# KiCad board DecentXE-Modern.kicad_pcb
title: Decent XE Keyboard - Modern; date: 2026-02-18; rev: 16.1; company: Decent Consulting
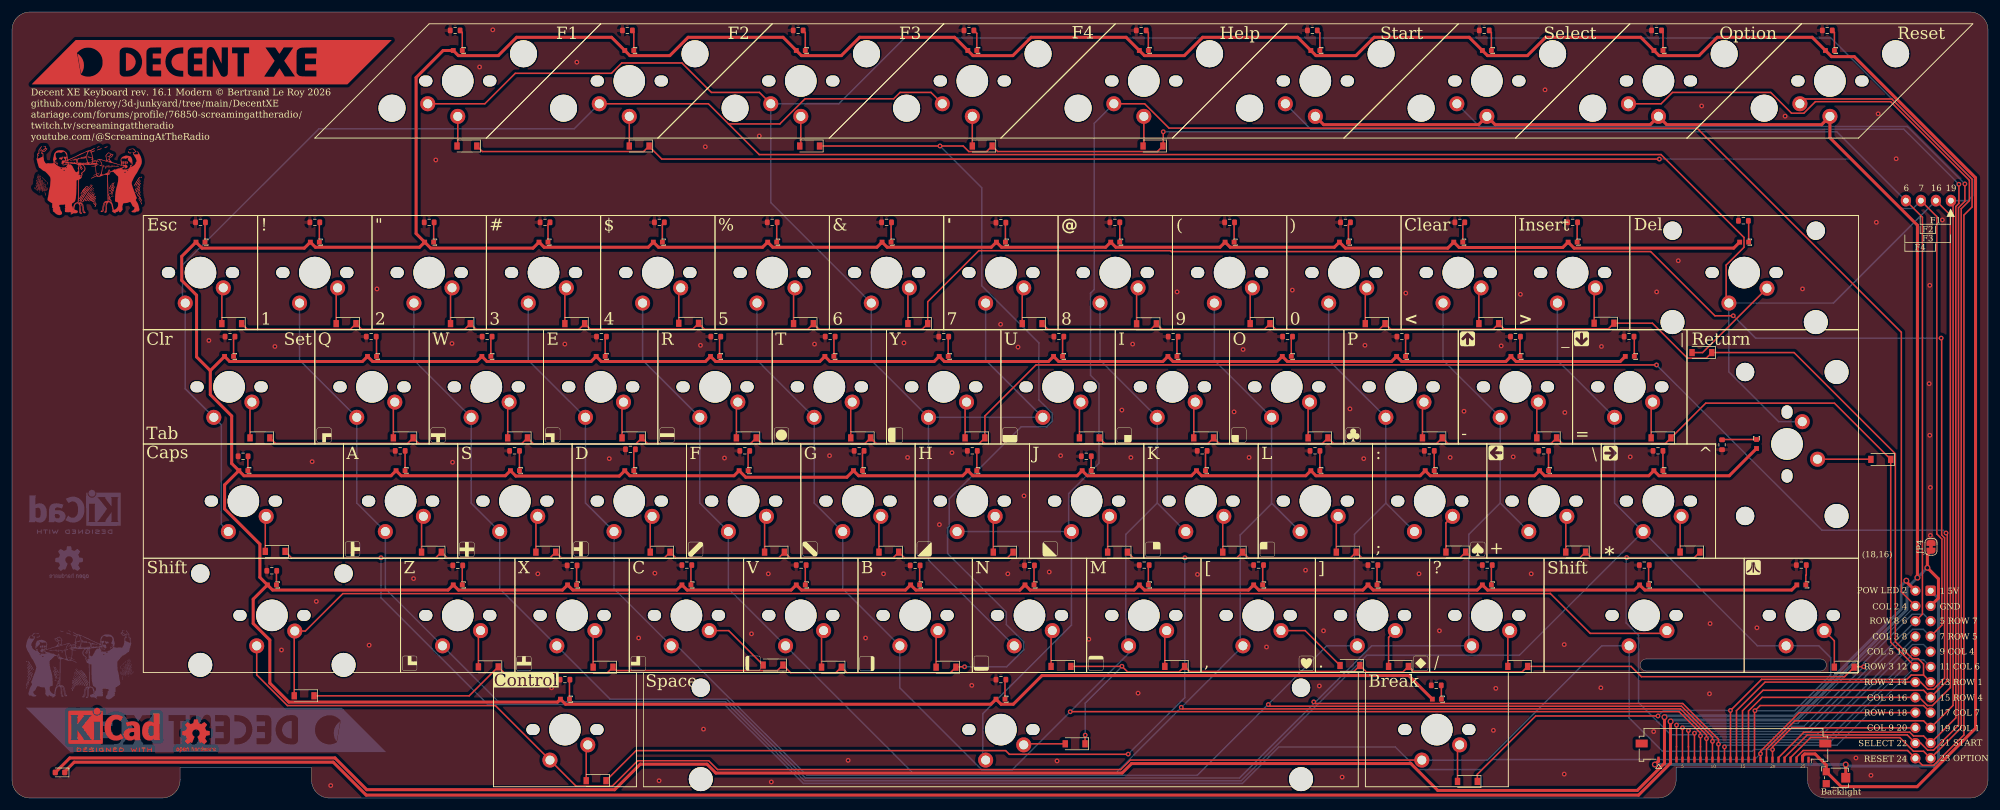
[diagram p0: board, top side]
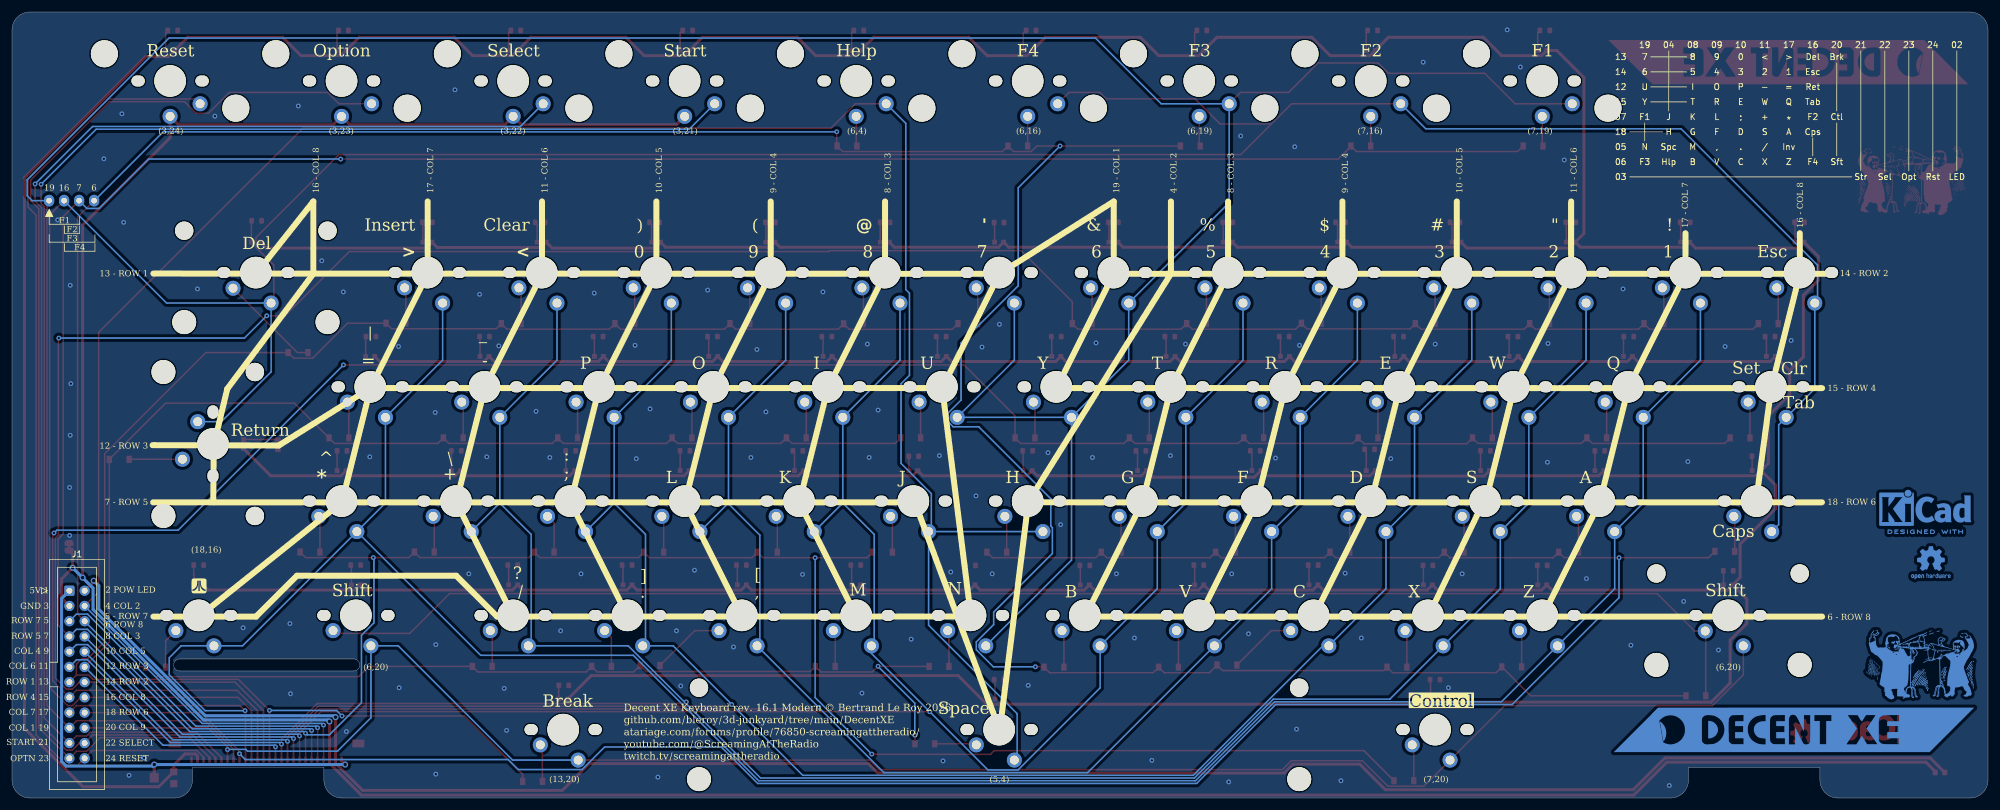
[diagram p1: board, bottom side, seen from below]

Outline 329.2 x 131.05 mm; copper layers: Top, Bottom. Coordinates in mm from the lower left corner of the outline.
Outline path: 0,128.05 0,3 arc(0.88,0.88) 3,0 25,0 arc(27.12,0.88) 28,3 28,5.1 49.9,5.1 49.9,3 arc(50.78,0.88) 52.9,0 274.24,0 arc(276.36,0.88) 277.24,3 277.24,5.1 299.14,5.1 299.14,3 arc(300.02,0.88) 302.14,0 326.2,0 arc(328.32,0.88) 329.2,3 329.2,128.05 arc(328.32,130.17) 326.2,131.05 3,131.05 arc(0.88,130.17) 0,128.05 ; 272.27,23.18 301.27,23.18 arc(302.27,22.18) 301.27,21.18 272.27,21.18 arc(271.27,22.18) 272.27,23.18
Stack: Top 0.035mm / dielectric 1.51mm FR4 er 4.5 / Bottom 0.035mm

## Placement (name value [footprint] x y rotation side)
D1  LED  [LED_0603_1608Metric]  8 4.26 180 top
D68  1N4148W  [D_SOD-123]  169.96 79.09 180 top
D69  1N4148W  [D_SOD-123]  150.91 79.09 180 top
D70  1N4148W  [D_SOD-123]  179.48 60.04 180 top
D71  1N4148W  [D_SOD-123]  160.43 60.04 180 top
D72  1N4148W  [D_SOD-123]  75.79 108.71 180 top
D73  1N4148W  [D_SOD-123]  174.76 21.94 180 top
D74  1N4148W  [D_SOD-123]  132.89 108.71 180 top
D75  1N4148W  [D_SOD-123]  184.18 40.99 180 top
D76  1N4148W  [D_SOD-123]  165.13 40.99 180 top
D77  1N4148W  [D_SOD-123]  177.12 9.04 180 top
D78  1N4148W  [D_SOD-123]  190.09 108.71 180 top
D79  1N4148W  [D_SOD-123]  189.01 79.07 180 top
D80  1N4148W  [D_SOD-123]  131.86 79.09 180 top
D81  1N4148W  [D_SOD-123]  198.53 60.04 180 top
D82  1N4148W  [D_SOD-123]  141.38 60.04 180 top
D83  1N4148W  [D_SOD-123]  203.36 40.99 180 top
D84  1N4148W  [D_SOD-123]  146.08 40.99 180 top
D85  1N4148W  [D_SOD-123]  193.71 21.94 180 top
D86  1N4148W  [D_SOD-123]  155.61 21.81 180 top
D87  1N4148W  [D_SOD-123]  207.93 79.09 180 top
D88  1N4148W  [D_SOD-123]  112.73 79.14 180 top
D89  1N4148W  [D_SOD-123]  217.58 60.04 180 top
D90  1N4148W  [D_SOD-123]  122.33 60.04 180 top
D91  1N4148W  [D_SOD-123]  222.28 40.99 180 top
D92  1N4148W  [D_SOD-123]  127.03 40.99 180 top
D93  1N4148W  [D_SOD-123]  222.9 22.09 180 top
D94  1N4148W  [D_SOD-123]  136.52 21.81 180 top
D95  1N4148W  [D_SOD-123]  227.11 79.09 180 top
D96  1N4148W  [D_SOD-123]  93.76 79.09 180 top
D97  1N4148W  [D_SOD-123]  236.63 60.04 180 top
D98  1N4148W  [D_SOD-123]  103.28 60.04 180 top
D99  1N4148W  [D_SOD-123]  240.54 41.01 180 top
D100  1N4148W  [D_SOD-123]  107.98 40.99 180 top
D101  1N4148W  [D_SOD-123]  230.99 21.94 180 top
D102  1N4148W  [D_SOD-123]  126.79 22.17 180 top
D103  1N4148W  [D_SOD-123]  246.03 79.09 180 top
D104  1N4148W  [D_SOD-123]  74.71 79.09 180 top
D105  1N4148W  [D_SOD-123]  255.68 60.04 180 top
D106  1N4148W  [D_SOD-123]  84.23 60.04 180 top
D107  1N4148W  [D_SOD-123]  260.51 41.01 180 top
D108  1N4148W  [D_SOD-123]  88.93 40.99 180 top
D109  1N4148W  [D_SOD-123]  250.86 21.94 180 top
D110  1N4148W  [D_SOD-123]  98.47 21.81 180 top
D111  1N4148W  [D_SOD-123]  265.23 79.16 180 top
D112  1N4148W  [D_SOD-123]  55.66 79.09 180 top
D113  1N4148W  [D_SOD-123]  274.73 60.04 180 top
D114  1N4148W  [D_SOD-123]  65.18 60.04 180 top
D115  1N4148W  [D_SOD-123]  279.56 41.01 180 top
D116  1N4148W  [D_SOD-123]  69.88 40.99 180 top
D117  1N4148W  [D_SOD-123]  305.25 21.81 180 top
D118  1N4148W  [D_SOD-123]  79.35 21.87 180 top
D119  1N4148W  [D_SOD-123]  281.54 74.27 180 top
D120  1N4148W  [D_SOD-123]  36.61 79.09 180 top
D121  1N4148W  [D_SOD-123]  311.34 56.46 180 top
D122  1N4148W  [D_SOD-123]  41.31 60.04 180 top
D123  1N4148W  [D_SOD-123]  104.49 108.71 180 top
D124  1N4148W  [D_SOD-123]  43.85 41.12 180 top
D125  1N4148W  [D_SOD-123]  161.64 108.71 180 top
D126  1N4148W  [D_SOD-123]  242.47 2.76 180 top
D127  1N4148W  [D_SOD-123]  97.31 2.89 180 top
D128  1N4148W  [D_SOD-123]  48.67 17.04 180 top
G***  -  [LOGO]  66.24 22.46 0 top
G***#2  -  [LOGO]  51.99 60.51 0 top
G***#3  -  [LOGO]  142.44 22.41 0 top
G***#4  -  [LOGO]  123.44 22.46 0 top
G***#5  -  [LOGO]  180.59 22.46 0 top
G***#6  -  [LOGO]  185.29 60.51 0 top
G***#7  -  [LOGO]  109.14 60.51 0 top
G***#8  -  [LOGO]  94.79 41.51 0 top
G***#9  -  [LOGO]  247.24 57.56 270 top
G***#10  LOGO  [ScreamingAtTheRadio]  12.78 104.04 0 top
G***#11  -  [LOGO]  204.39 60.51 0 top
G***#12  -  [LOGO]  33.27 122.7 0 top
G***#13  -  [LOGO]  75.79 41.46 0 top
G***#14  -  [LOGO]  56.74 41.51 0 top
G***#15  -  [LOGO]  172.94 41.51 0 top
G***#16  -  [LOGO]  128.19 60.51 0 top
G***#17  -  [LOGO]  113.89 41.46 0 top
G***#18  -  [LOGO]  242.49 76.56 180 top
G***#19  -  [LOGO]  90.09 60.51 0 top
G***#20  -  [LOGO]  215.64 22.46 0 top
G***#21  -  [LOGO]  147.19 60.51 0 top
G***#22  -  [LOGO]  209.14 41.46 0 top
G***#23  -  [LOGO]  85.29 22.41 0 top
G***#24  -  [LOGO]  132.94 41.51 0 top
G***#25  -  [LOGO]  223.44 60.51 0 top
G***#26  -  [LOGO]  266.29 57.51 90 top
G***#27  -  [LOGO]  70.99 60.51 0 top
G***#28  -  [LOGO]  261.49 76.56 0 top
G***#29  -  [LOGO]  166.24 60.51 0 top
G***#30  -  [LOGO]  244.19 41.46 0 top
G***#31  -  [LOGO]  190.09 41.46 0 top
G***#32  -  [LOGO]  234.69 22.46 0 top
G***#33  -  [LOGO]  161.49 22.46 0 top
G***#34  -  [LOGO]  151.99 41.51 0 top
G***#35  -  [LOGO]  104.34 22.41 0 top
G***#36  -  [LOGO]  290.1 38.44 0 top
G***#37  -  [LOGO]  32.32 11.38 180 bottom
G***#38  LOGO  [ScreamingAtTheRadio]  11.18 23.31 180 bottom
G***#39  -  [LOGO]  298.04 35.36 180 bottom
J1  Conn_02x12_Odd_Even  [IDC-Header_2x12_P2.54mm_Vertical]  319.64 34.56 180 bottom
J2  Conn_01x26  [Molex_200528-0260_1x26-1MP_P1.00mm_Horizontal]  286.8 7.3 180 top
J3  Conn_01x04  [JST_EH_S4B-EH_1x04_P2.50mm_Horizontal]  323.02 99.6 180 bottom
JP4  SolderJumper_2_Bridged  [SolderJumper-2_P1.3mm_Bridged_RoundedPad1.0x1.5mm]  319.7 41.88 90 top
R1  R  [R_0603_1608Metric]  164.75 95.93 180 top
R2  R  [R_0603_1608Metric]  145.7 95.98 180 top
R3  R  [R_0603_1608Metric]  174.4 76.93 180 top
R4  R  [R_0603_1608Metric]  155.23 76.93 180 top
R5  R  [R_0603_1608Metric]  73.83 127.98 180 top
R6  R  [R_0603_1608Metric]  169.51 38.78 180 top
R7  R  [R_0603_1608Metric]  130.98 127.98 180 top
R8  R  [R_0603_1608Metric]  178.97 56.98 180 top
R9  R  [R_0603_1608Metric]  159.99 57.88 180 top
R10  R  [R_0603_1608Metric]  164.75 19.73 180 top
R11  R  [R_0603_1608Metric]  188.13 127.98 180 top
R12  R  [R_0603_1608Metric]  183.74 95.98 180 top
R13  R  [R_0603_1608Metric]  126.65 95.98 180 top
R14  R  [R_0603_1608Metric]  193.45 76.93 180 top
R15  R  [R_0603_1608Metric]  136.3 76.93 180 top
R16  R  [R_0603_1608Metric]  198.28 57.88 180 top
R17  R  [R_0603_1608Metric]  141.13 57.88 180 top
R18  R  [R_0603_1608Metric]  188.63 38.83 180 top
R19  R  [R_0603_1608Metric]  150.46 38.78 180 top
R20  R  [R_0603_1608Metric]  202.85 95.98 180 top
R21  R  [R_0603_1608Metric]  107.85 95.98 180 top
R22  R  [R_0603_1608Metric]  212.5 76.93 180 top
R23  R  [R_0603_1608Metric]  117.25 76.93 180 top
R24  R  [R_0603_1608Metric]  217.07 57.88 180 top
R25  R  [R_0603_1608Metric]  122.08 57.88 180 top
R26  R  [R_0603_1608Metric]  207.68 38.83 180 top
R27  R  [R_0603_1608Metric]  131.48 38.83 180 top
R28  R  [R_0603_1608Metric]  222.15 95.98 180 top
R29  R  [R_0603_1608Metric]  88.8 95.98 180 top
R30  R  [R_0603_1608Metric]  231.55 76.93 180 top
R31  R  [R_0603_1608Metric]  98.2 76.93 180 top
R32  R  [R_0603_1608Metric]  236.12 57.88 180 top
R33  R  [R_0603_1608Metric]  103.03 58.14 180 top
R34  R  [R_0603_1608Metric]  226.73 38.83 180 top
R35  R  [R_0603_1608Metric]  112.43 38.83 180 top
R36  R  [R_0603_1608Metric]  241.2 95.98 180 top
R37  R  [R_0603_1608Metric]  69.5 95.98 180 top
R38  R  [R_0603_1608Metric]  250.47 76.93 180 top
R39  R  [R_0603_1608Metric]  79.15 76.93 180 top
R40  R  [R_0603_1608Metric]  255.17 57.88 180 top
R41  R  [R_0603_1608Metric]  83.72 57.88 180 top
R42  R  [R_0603_1608Metric]  245.78 38.83 180 top
R43  R  [R_0603_1608Metric]  93.31 38.78 180 top
R44  R  [R_0603_1608Metric]  260 95.98 180 top
R45  R  [R_0603_1608Metric]  50.45 95.98 180 top
R46  R  [R_0603_1608Metric]  269.4 76.93 180 top
R47  R  [R_0603_1608Metric]  59.85 76.93 180 top
R48  R  [R_0603_1608Metric]  274.22 57.88 180 top
R49  R  [R_0603_1608Metric]  64.67 57.88 180 top
R50  R  [R_0603_1608Metric]  298.1 38.83 180 top
R51  R  [R_0603_1608Metric]  74.26 38.78 180 top
R52  R  [R_0603_1608Metric]  288.45 96.24 180 top
R53  R  [R_0603_1608Metric]  31.4 95.98 180 top
R54  R  [R_0603_1608Metric]  284.89 58.9 270 top
R55  R  [R_0603_1608Metric]  36.32 76.93 180 top
R56  R  [R_0603_1608Metric]  102.53 127.98 180 top
R57  R  [R_0603_1608Metric]  38.5 56.98 180 top
R58  R  [R_0603_1608Metric]  159.42 127.98 180 top
R59  R  [R_0603_1608Metric]  271.94 38.83 180 top
R60  R  [R_0603_1608Metric]  237.27 18.78 180 top
R61  R  [R_0603_1608Metric]  92.12 19.73 180 top
R62  R  [R_0603_1608Metric]  43.27 37.88 180 top
R63  R  [R_0603_1608Metric]  216.64 127.98 180 top
R64  R  [R_0603_1608Metric]  245.28 127.98 180 top
R65  R  [R_0603_1608Metric]  273.98 127.98 180 top
R66  R  [R_0603_1608Metric]  302.43 127.98 180 top
REF**  -  [KiCad-Logo2_6mm_Copper]  17.03 12.05 0 top
REF**#2  -  [OSHW-Logo2_7.3x6mm_Copper]  30.65 10.35 0 top
REF**#3  -  [KiCad-Logo2_6mm_Copper]  10.46 48.4 180 bottom
REF**#4  -  [AtariXE_Matrix]  31.19 115.06 180 bottom
REF**#5  -  [OSHW-Logo2_7.3x6mm_Copper]  9.51 39.22 180 bottom
RV1  R_Potentiometer  [Potentiometer_Bourns_TC33X_Vertical]  304.05 3.38 0 top
SW0  SW_Push_45deg  [MX-1-00U-LED]  221.9 92.68 0 top
SW1  SW_Push_45deg  [MX-1-00U-LED]  50.45 92.68 0 top
SW2  SW_Push_45deg  [MX-1-00U-LED]  69.5 92.68 0 top
SW3  SW_Push_45deg  [MX-1-00U-LED]  88.55 92.68 0 top
SW4  SW_Push_45deg  [MX-1-00U-LED]  107.6 92.68 0 top
SW5  SW_Push_45deg  [MX-1-00U-LED]  126.65 92.68 0 top
SW6  SW_Push_45deg  [MX-1-00U-LED]  145.7 92.68 0 top
SW7  SW_Push_45deg  [MX-1-00U-LED]  164.75 92.68 0 top
SW8  SW_Push_45deg  [MX-1-00U-LED]  183.8 92.68 0 top
SW9  SW_Push_45deg  [MX-1-00U-LED]  202.85 92.68 0 top
SWA1  SW_Push_45deg  [MX-1-00U-LED]  64.74 54.58 0 top
SWB1  SW_Push_45deg  [MX-1-00U-LED]  150.46 35.53 0 top
SWBrk1  SW_Push_45deg  [MX-1-25U-LED]  237.38 16.48 0 top
SWC1  SW_Push_45deg  [MX-1-00U-LED]  112.36 35.53 0 top
SWComma1  SW_Push_45deg  [MX-1-00U-LED]  207.61 35.53 0 top
SWCps1  SW_Push_45deg  [MX-1-75U-LED]  38.54 54.58 0 top
SWCtl1  SW_Push_45deg  [MX-1-25U-LED]  92.12 16.48 0 top
SWD1  SW_Push_45deg  [MX-1-00U-LED]  102.84 54.58 0 top
SWDash1  SW_Push_45deg  [MX-1-00U-LED]  250.47 73.63 0 top
SWDel1  SW_Push_45deg  [MX-2-00U-LED]  288.57 92.68 0 top
SWE1  SW_Push_45deg  [MX-1-00U-LED]  98.08 73.63 0 top
SWEqual1  SW_Push_45deg  [MX-1-00U-LED]  269.52 73.63 0 top
SWEsc1  SW_Push_45deg  [MX-1-00U-LED]  31.4 92.68 0 top
SWF1  SW_Push_45deg  [MX-1-00U-LED]  121.89 54.58 0 top
SWFn1  SW_Push_45deg  [Choc-1-50U-Atari-Fn-LED]  74.26 124.63 0 top
SWFn2  SW_Push_45deg  [Choc-1-50U-Atari-Fn-LED]  102.84 124.63 0 top
SWFn3  SW_Push_45deg  [Choc-1-50U-Atari-Fn-LED]  131.41 124.63 0 top
SWFn4  SW_Push_45deg  [Choc-1-50U-Atari-Fn-LED]  159.99 124.63 0 top
SWG1  SW_Push_45deg  [MX-1-00U-LED]  140.94 54.58 0 top
SWGT1  SW_Push_45deg  [MX-1-00U-LED]  260 92.68 0 top
SWH1  SW_Push_45deg  [MX-1-00U-LED]  159.99 54.58 0 top
SWHlp1  SW_Push_45deg  [Choc-1-50U-Atari-Fn-LED]  188.56 124.63 0 top
SWI1  SW_Push_45deg  [MX-1-00U-LED]  193.32 73.63 0 top
SWInv1  SW_Push_45deg  [MX-1-00U-LED]  298.1 35.53 0 top
SWJ1  SW_Push_45deg  [MX-1-00U-LED]  179.04 54.58 0 top
SWK1  SW_Push_45deg  [MX-1-00U-LED]  198.09 54.58 0 top
SWL1  SW_Push_45deg  [MX-1-00U-LED]  217.14 54.58 0 top
SWLeftSft1  SW_Push_45deg  [MX-2-25U-LED]  43.31 35.53 0 top
SWLT1  SW_Push_45deg  [MX-1-00U-LED]  240.95 92.68 0 top
SWM1  SW_Push_45deg  [MX-1-00U-LED]  188.56 35.53 0 top
SWN1  SW_Push_45deg  [MX-1-00U-LED]  169.51 35.53 0 top
SWO1  SW_Push_45deg  [MX-1-00U-LED]  212.38 73.63 0 top
SWOption1  SW_Push_45deg  [Choc-1-50U-Atari-Fn-LED]  274.3 124.63 0 top
SWP1  SW_Push_45deg  [MX-1-00U-LED]  231.43 73.63 0 top
SWPeriod1  SW_Push_45deg  [MX-1-00U-LED]  226.66 35.53 0 top
SWPlus1  SW_Push_45deg  [MX-1-00U-LED]  255.24 54.58 0 top
SWQ1  SW_Push_45deg  [MX-1-00U-LED]  59.97 73.63 0 top
SWR1  SW_Push_45deg  [MX-1-00U-LED]  117.13 73.63 0 top
SWReset1  SW_Push_45deg  [Choc-1-50U-Atari-Fn-LED]  302.86 124.63 0 top
SWRet1  SW_Push_45deg  [MX-ISO-RETURN]  290.64 59.02 0 top
SWRightSft1  SW_Push_45deg  [MX-1-75U-LED]  271.91 35.53 0 top
SWS1  SW_Push_45deg  [MX-1-00U-LED]  83.79 54.58 0 top
SWSelect1  SW_Push_45deg  [Choc-1-50U-Atari-Fn-LED]  245.71 124.63 0 top
SWSemi1  SW_Push_45deg  [MX-1-00U-LED]  236.19 54.58 0 top
SWSlash1  SW_Push_45deg  [MX-1-00U-LED]  245.71 35.53 0 top
SWSpc1  SW_Push_45deg  [MX-6-25U-LED]  164.75 16.48 0 top
SWStar1  SW_Push_45deg  [MX-1-00U-LED]  274.29 54.58 0 top
SWStart1  SW_Push_45deg  [Choc-1-50U-Atari-Fn-LED]  217.14 124.63 0 top
SWT1  SW_Push_45deg  [MX-1-00U-LED]  136.18 73.63 0 top
SWTab1  SW_Push_45deg  [MX-1-50U-LED]  36.16 73.63 0 top
SWU1  SW_Push_45deg  [MX-1-00U-LED]  174.27 73.63 0 top
SWV1  SW_Push_45deg  [MX-1-00U-LED]  131.41 35.53 0 top
SWW1  SW_Push_45deg  [MX-1-00U-LED]  79.03 73.63 0 top
SWX1  SW_Push_45deg  [MX-1-00U-LED]  93.31 35.53 0 top
SWY1  SW_Push_45deg  [MX-1-00U-LED]  155.23 73.63 0 top
SWZ1  SW_Push_45deg  [MX-1-00U-LED]  74.26 35.53 0 top

## Library data of the parts
D1 = -: JLCPCB Part #: C2286; ki_fp_filters: LED* LED_SMD:* LED_THT:*
D68-D128 = -: Datasheet: https://www.vishay.com/docs/85748/1n4148w.pdf; JLCPCB Part #: C81598; ki_fp_filters: D*SOD?123*
J1 = -: ki_fp_filters: Connector*:*_2x??_*
J2 = -: JLCPCB Part #: C2914085; ki_fp_filters: Connector*:*_1x??_*
J3 = -: ki_fp_filters: Connector*:*_1x??_*
JP4 = -: ki_fp_filters: SolderJumper*Open*
R1-R66 = -: JLCPCB Part #: C22775; ki_fp_filters: R_*
RV1 = -: JLCPCB Part #: C719174; JLCPCB Rotation Offset: 180; Rotation Offset: 180; ki_fp_filters: Potentiometer*
SW0-SW9 SWA1 SWB1 SWBrk1 SWC1 SWComma1 SWCps1 SWCtl1 SWD1 SWDash1 SWDel1 SWE1 SWEqual1 SWEsc1 SWF1 SWFn1-SWFn4 SWG1 SWGT1 SWH1 SWHlp1 SWI1 SWInv1 SWJ1 SWK1 SWL1 SWLeftSft1 SWLT1 SWM1 SWN1 SWO1 SWOption1 SWP1 SWPeriod1 SWPlus1 SWQ1 SWR1 SWReset1 SWRightSft1 SWS1 SWSelect1 SWSemi1 SWSlash1 SWSpc1 SWStar1 SWStart1 SWT1 SWTab1 SWU1 SWV1 SWW1 SWX1 SWY1 SWZ1 = -: JLCPCB Part #: C193191; JLCPCB Rotation Offset: 180; FT Origin: Anchor; Rotation Offset: 180
SWRet1 = -: JLCPCB Part #: C193191; JLCPCB Rotation Offset: 180; FT Origin: Anchor; Rotation Offset: 270

## Footprints (pads in the part's own frame, mm; a bottom-side part is the same pattern mirrored in y, then rotated)
Choc-1-50U-Atari-Fn-LED
  round 4.5 hole 4.5 unplated: (-10.95,-9.615) (10.95,-0.545)
  oval 2.2x1.8 hole 2.2x1.8 unplated: (-5.33,-5.08) (5.33,-5.08)
  round 5.25 hole 5.25 unplated: (0,-5.08)
  round 2.5 hole 1.499: 1(-5,-8.88) 2(0,-10.98)
  rect 0.8x0.8 smd: 3(0.75,0) 4(-0.75,0)
D_SOD-123
  rect 0.9x1.2 smd: 1(-1.65,0) 2(1.65,0)
IDC-Header_2x12_P2.54mm_Vertical
  rrect 1.7x1.7 hole 1: 1(0,0)
  round 1.7 hole 1: 2(2.54,0) 3(0,-2.54) 4(2.54,-2.54) 5(0,-5.08) 6(2.54,-5.08) 7(0,-7.62) 8(2.54,-7.62) 9(0,-10.16) 10(2.54,-10.16) 11(0,-12.7) 12(2.54,-12.7) 13(0,-15.24) 14(2.54,-15.24) 15(0,-17.78) 16(2.54,-17.78) 17(0,-20.32) 18(2.54,-20.32) 19(0,-22.86) 20(2.54,-22.86) 21(0,-25.4) 22(2.54,-25.4) 23(0,-27.94) 24(2.54,-27.94)
JST_EH_S4B-EH_1x04_P2.50mm_Horizontal
  oval 1.7x1.95 hole 0.95: 1(0,0) 2(2.5,0) 3(5,0) 4(7.5,0)
LED_0603_1608Metric
  rrect 0.875x0.95 smd: 1(-0.787,0) 2(0.787,0)
Molex_200528-0260_1x26-1MP_P1.00mm_Horizontal
  rect 0.4x1 smd: 1(12.5,0.91) 2(11.5,0.91) 3(10.5,0.91) 4(9.5,0.91) 5(8.5,0.91) 6(7.5,0.91) 7(6.5,0.91) 8(5.5,0.91) 9(4.5,0.91) 10(3.5,0.91) 11(2.5,0.91) 12(1.5,0.91) 13(0.5,0.91) 14(-0.5,0.91) 15(-1.5,0.91) 16(-2.5,0.91) 17(-3.5,0.91) 18(-4.5,0.91) 19(-5.5,0.91) 20(-6.5,0.91) 21(-7.5,0.91) 22(-8.5,0.91) 23(-9.5,0.91) 24(-10.5,0.91) 25(-11.5,0.91) 26(-12.5,0.91)
  rect 2x1.3 smd: MP(-15.3,-1.79) MP(15.3,-1.79)
MX-1-00U-LED
  oval 2.2x1.8 hole 2.2x1.8 unplated: (-5.33,-5.08) (5.33,-5.08)
  round 5.25 hole 5.25 unplated: (0,-5.08)
  round 2.5 hole 1.499: 1(-2.54,-10.16) 2(3.8,-7.62)
  rect 0.8x0.8 smd: 3(0.75,0) 4(-0.75,0)
MX-1-25U-LED
  oval 2.2x1.8 hole 2.2x1.8 unplated: (-5.33,-5.08) (5.33,-5.08)
  round 5.25 hole 5.25 unplated: (0,-5.08)
  round 2.5 hole 1.499: 1(-2.5,-10.16) 2(3.8,-7.62)
  rect 0.8x0.8 smd: 3(0.75,0) 4(-0.75,0)
MX-1-50U-LED
  oval 2.2x1.8 hole 2.2x1.8 unplated: (-5.33,-5.08) (5.33,-5.08)
  round 5.25 hole 5.25 unplated: (0,-5.08)
  round 2.5 hole 1.499: 1(-2.54,-10.16) 2(3.8,-7.62)
  rect 0.8x0.8 smd: 3(0.75,0) 4(-0.75,0)
MX-1-75U-LED
  oval 2.2x1.8 hole 2.2x1.8 unplated: (-5.33,-5.08) (5.33,-5.08)
  round 5.25 hole 5.25 unplated: (0,-5.08)
  round 2.5 hole 1.499: 1(-2.5,-10.16) 2(3.8,-7.62)
  rect 0.8x0.8 smd: 3(0.75,0) 4(-0.75,0)
MX-2-00U-LED
  round 3.048 hole 3.048 unplated: (-11.938,1.905) (11.938,1.905)
  round 3.988 hole 3.988 unplated: (-11.938,-13.335) (11.938,-13.335)
  oval 2.2x1.8 hole 2.2x1.8 unplated: (-5.33,-5.08) (5.33,-5.08)
  round 5.25 hole 5.25 unplated: (0,-5.08)
  round 2.5 hole 1.499: 1(-2.54,-10.16) 2(3.8,-7.69)
  rect 0.8x0.8 smd: 3(0.75,0) 4(-0.75,0)
MX-2-25U-LED
  round 3.048 hole 3.048 unplated: (-11.938,1.905) (11.938,1.905)
  round 3.988 hole 3.988 unplated: (-11.938,-13.335) (11.938,-13.335)
  oval 2.2x1.8 hole 2.2x1.8 unplated: (-5.33,-5.08) (5.33,-5.08)
  round 5.25 hole 5.25 unplated: (0,-5.08)
  round 2.5 hole 1.499: 1(-2.54,-10.16) 2(3.8,-7.69)
  rect 0.8x0.8 smd: 3(0.75,0) 4(-0.75,0)
MX-6-25U-LED
  round 3.048 hole 3.048 unplated: (-50,1.905) (50,1.905)
  round 3.988 hole 3.988 unplated: (-50,-13.335) (50,-13.335)
  oval 2.2x1.8 hole 2.2x1.8 unplated: (-5.33,-5.08) (5.33,-5.08)
  round 5.25 hole 5.25 unplated: (0,-5.08)
  round 2.5 hole 1.499: 1(-2.54,-10.16) 2(3.8,-7.62)
  rect 0.8x0.8 smd: 3(0.686,0) 4(-0.814,0)
MX-ISO-RETURN
  round 3.048 hole 3.048 unplated: (-1.905,12) (-1.905,-12)
  oval 1.8x2.2 hole 1.8x2.2 unplated: (5.08,5.33) (5.08,-5.33)
  round 5.25 hole 5.25 unplated: (5.08,0)
  round 3.988 hole 3.988 unplated: (13.335,12) (13.335,-12)
  round 2.5 hole 1.499: 1(7.62,3.72) 2(10.16,-2.54)
  rect 0.8x0.8 smd: 3(0,0.75) 4(0,-0.75)
Potentiometer_Bourns_TC33X_Vertical
  rect 1.2x1.2 smd: 1(-1.8,1) 3(-1.8,-1)
  rect 1.5x1.6 smd: 2(1.45,0)
R_0603_1608Metric
  rrect 0.8x0.95 smd: 1(-0.825,0) 2(0.825,0)
SolderJumper-2_P1.3mm_Bridged_RoundedPad1.0x1.5mm
  custom 1x0.5 smd: 1(-0.65,0) 2(0.65,0)

## Nets
GND: D1.1 J1.3 J2.3 JP4.1 SWOption1.2 SWReset1.2 SWSelect1.2 SWStart1.2
VCC_LED: J2.25 RV1.1 SW0.4 SW1.4 SW2.4 SW3.4 SW4.4 SW5.4 SW6.4 SW7.4 SW8.4 SW9.4 SWA1.4 SWB1.4 SWBrk1.4 SWC1.4 SWComma1.4 SWCps1.4 SWCtl1.4 SWD1.4 SWDash1.4 SWDel1.4 SWE1.4 SWEqual1.4 SWEsc1.4 SWF1.4 SWFn1.4 SWFn2.4 SWFn3.4 SWFn4.4 SWG1.4 SWGT1.4 SWH1.4 SWHlp1.4 SWI1.4 SWInv1.4 SWJ1.4 SWK1.4 SWL1.4 SWLeftSft1.4 SWLT1.4 SWM1.4 SWN1.4 SWO1.4 SWOption1.4 SWP1.4 SWPeriod1.4 SWPlus1.4 SWQ1.4 SWR1.4 SWReset1.4 SWRet1.4 SWRightSft1.4 SWS1.4 SWSelect1.4 SWSemi1.4 SWSlash1.4 SWSpc1.4 SWStar1.4 SWStart1.4 SWT1.4 SWTab1.4 SWU1.4 SWV1.4 SWW1.4 SWX1.4 SWY1.4 SWZ1.4
COL_1: J1.19 J2.19 J3.1 SW6.1 SW7.1 SWFn1.1 SWFn3.1 SWN1.1 SWU1.1 SWY1.1
COL_2: J1.4 J2.4 SWH1.1 SWHlp1.1 SWJ1.1 SWSpc1.1
COL_3: J1.8 J2.8 SW5.1 SW8.1 SWB1.1 SWG1.1 SWI1.1 SWK1.1 SWM1.1 SWT1.1
COL_4: J1.9 J2.9 SW4.1 SW9.1 SWComma1.1 SWF1.1 SWL1.1 SWO1.1 SWR1.1 SWV1.1
COL_5: J1.10 J2.10 SW0.1 SW3.1 SWC1.1 SWD1.1 SWE1.1 SWP1.1 SWPeriod1.1 SWSemi1.1
COL_6: J1.11 J2.11 SW2.1 SWDash1.1 SWLT1.1 SWPlus1.1 SWS1.1 SWSlash1.1 SWW1.1 SWX1.1
COL_7: J1.17 J2.17 SW1.1 SWA1.1 SWEqual1.1 SWGT1.1 SWInv1.1 SWQ1.1 SWStar1.1 SWZ1.1
COL_8: J1.16 J2.16 J3.2 SWCps1.1 SWDel1.1 SWEsc1.1 SWFn2.1 SWFn4.1 SWRet1.1 SWTab1.1
COL_9: J1.20 J2.20 SWBrk1.1 SWCtl1.1 SWLeftSft1.1 SWRightSft1.1
LED_GND: J2.26 JP4.2 R1.2 R2.2 R3.2 R4.2 R5.2 R6.2 R7.2 R8.2 R9.2 R10.2 R11.2 R12.2 R13.2 R14.2 R15.2 R16.2 R17.2 R18.2 R19.2 R20.2 R21.2 R22.2 R23.2 R24.2 R25.2 R26.2 R27.2 R28.2 R29.2 R30.2 R31.2 R32.2 R33.2 R34.2 R35.2 R36.2 R37.2 R38.2 R39.2 R40.2 R41.2 R42.2 R43.2 R44.2 R45.2 R46.2 R47.2 R48.2 R49.2 R50.2 R51.2 R52.2 R53.2 R54.2 R55.2 R56.2 R57.2 R58.2 R59.2 R60.2 R61.2 R62.2 R63.2 R64.2 R65.2 R66.2
OPTION: J1.23 J2.23 SWOption1.1
POWER: J1.1 J2.1 RV1.2
PWR_LED: D1.2 J1.2 J2.2
RESET: J1.24 J2.24 SWReset1.1
ROW_1: D68.1 D79.1 D87.1 D95.1 D103.1 D111.1 D119.1 D126.1 J1.13 J2.13
ROW_2: D69.1 D80.1 D88.1 D96.1 D104.1 D112.1 D120.1 J1.14 J2.14
ROW_3: D70.1 D81.1 D89.1 D97.1 D105.1 D113.1 D121.1 J1.12 J2.12
ROW_4: D71.1 D82.1 D90.1 D98.1 D106.1 D114.1 D122.1 J1.15 J2.15
ROW_5: D72.1 D75.1 D83.1 D91.1 D99.1 D107.1 D115.1 D123.1 D127.1 J1.7 J2.7 J3.3
ROW_6: D76.1 D84.1 D92.1 D100.1 D108.1 D116.1 D124.1 J1.18 J2.18
ROW_7: D73.1 D77.1 D85.1 D93.1 D101.1 D109.1 D117.1 J1.5 J2.5
ROW_8: D74.1 D78.1 D86.1 D94.1 D102.1 D110.1 D118.1 D125.1 D128.1 J1.6 J2.6 J3.4
SELECT: J1.22 J2.22 SWSelect1.1
START: J1.21 J2.21 SWStart1.1
Net-(D68-A): D68.2 SW7.2
Net-(D69-A): D69.2 SW6.2
Net-(D70-A): D70.2 SWU1.2
Net-(D71-A): D71.2 SWY1.2
Net-(D72-A): D72.2 SWFn1.2
Net-(D73-A): D73.2 SWN1.2
Net-(D74-A): D74.2 SWFn3.2
Net-(D75-A): D75.2 SWJ1.2
Net-(D76-A): D76.2 SWH1.2
Net-(D77-A): D77.2 SWSpc1.2
Net-(D78-A): D78.2 SWHlp1.2
Net-(D79-A): D79.2 SW8.2
Net-(D80-A): D80.2 SW5.2
Net-(D81-A): D81.2 SWI1.2
Net-(D82-A): D82.2 SWT1.2
Net-(D83-A): D83.2 SWK1.2
Net-(D84-A): D84.2 SWG1.2
Net-(D85-A): D85.2 SWM1.2
Net-(D86-A): D86.2 SWB1.2
Net-(D87-A): D87.2 SW9.2
Net-(D88-A): D88.2 SW4.2
Net-(D89-A): D89.2 SWO1.2
Net-(D90-A): D90.2 SWR1.2
Net-(D91-A): D91.2 SWL1.2
Net-(D92-A): D92.2 SWF1.2
Net-(D93-A): D93.2 SWComma1.2
Net-(D94-A): D94.2 SWV1.2
Net-(D95-A): D95.2 SW0.2
Net-(D96-A): D96.2 SW3.2
Net-(D97-A): D97.2 SWP1.2
Net-(D98-A): D98.2 SWE1.2
Net-(D99-A): D99.2 SWSemi1.2
Net-(D100-A): D100.2 SWD1.2
Net-(D101-A): D101.2 SWPeriod1.2
Net-(D102-A): D102.2 SWC1.2
Net-(D103-A): D103.2 SWLT1.2
Net-(D104-A): D104.2 SW2.2
Net-(D105-A): D105.2 SWDash1.2
Net-(D106-A): D106.2 SWW1.2
Net-(D107-A): D107.2 SWPlus1.2
Net-(D108-A): D108.2 SWS1.2